# KiCad board sl_v4.kicad_pcb (continued)
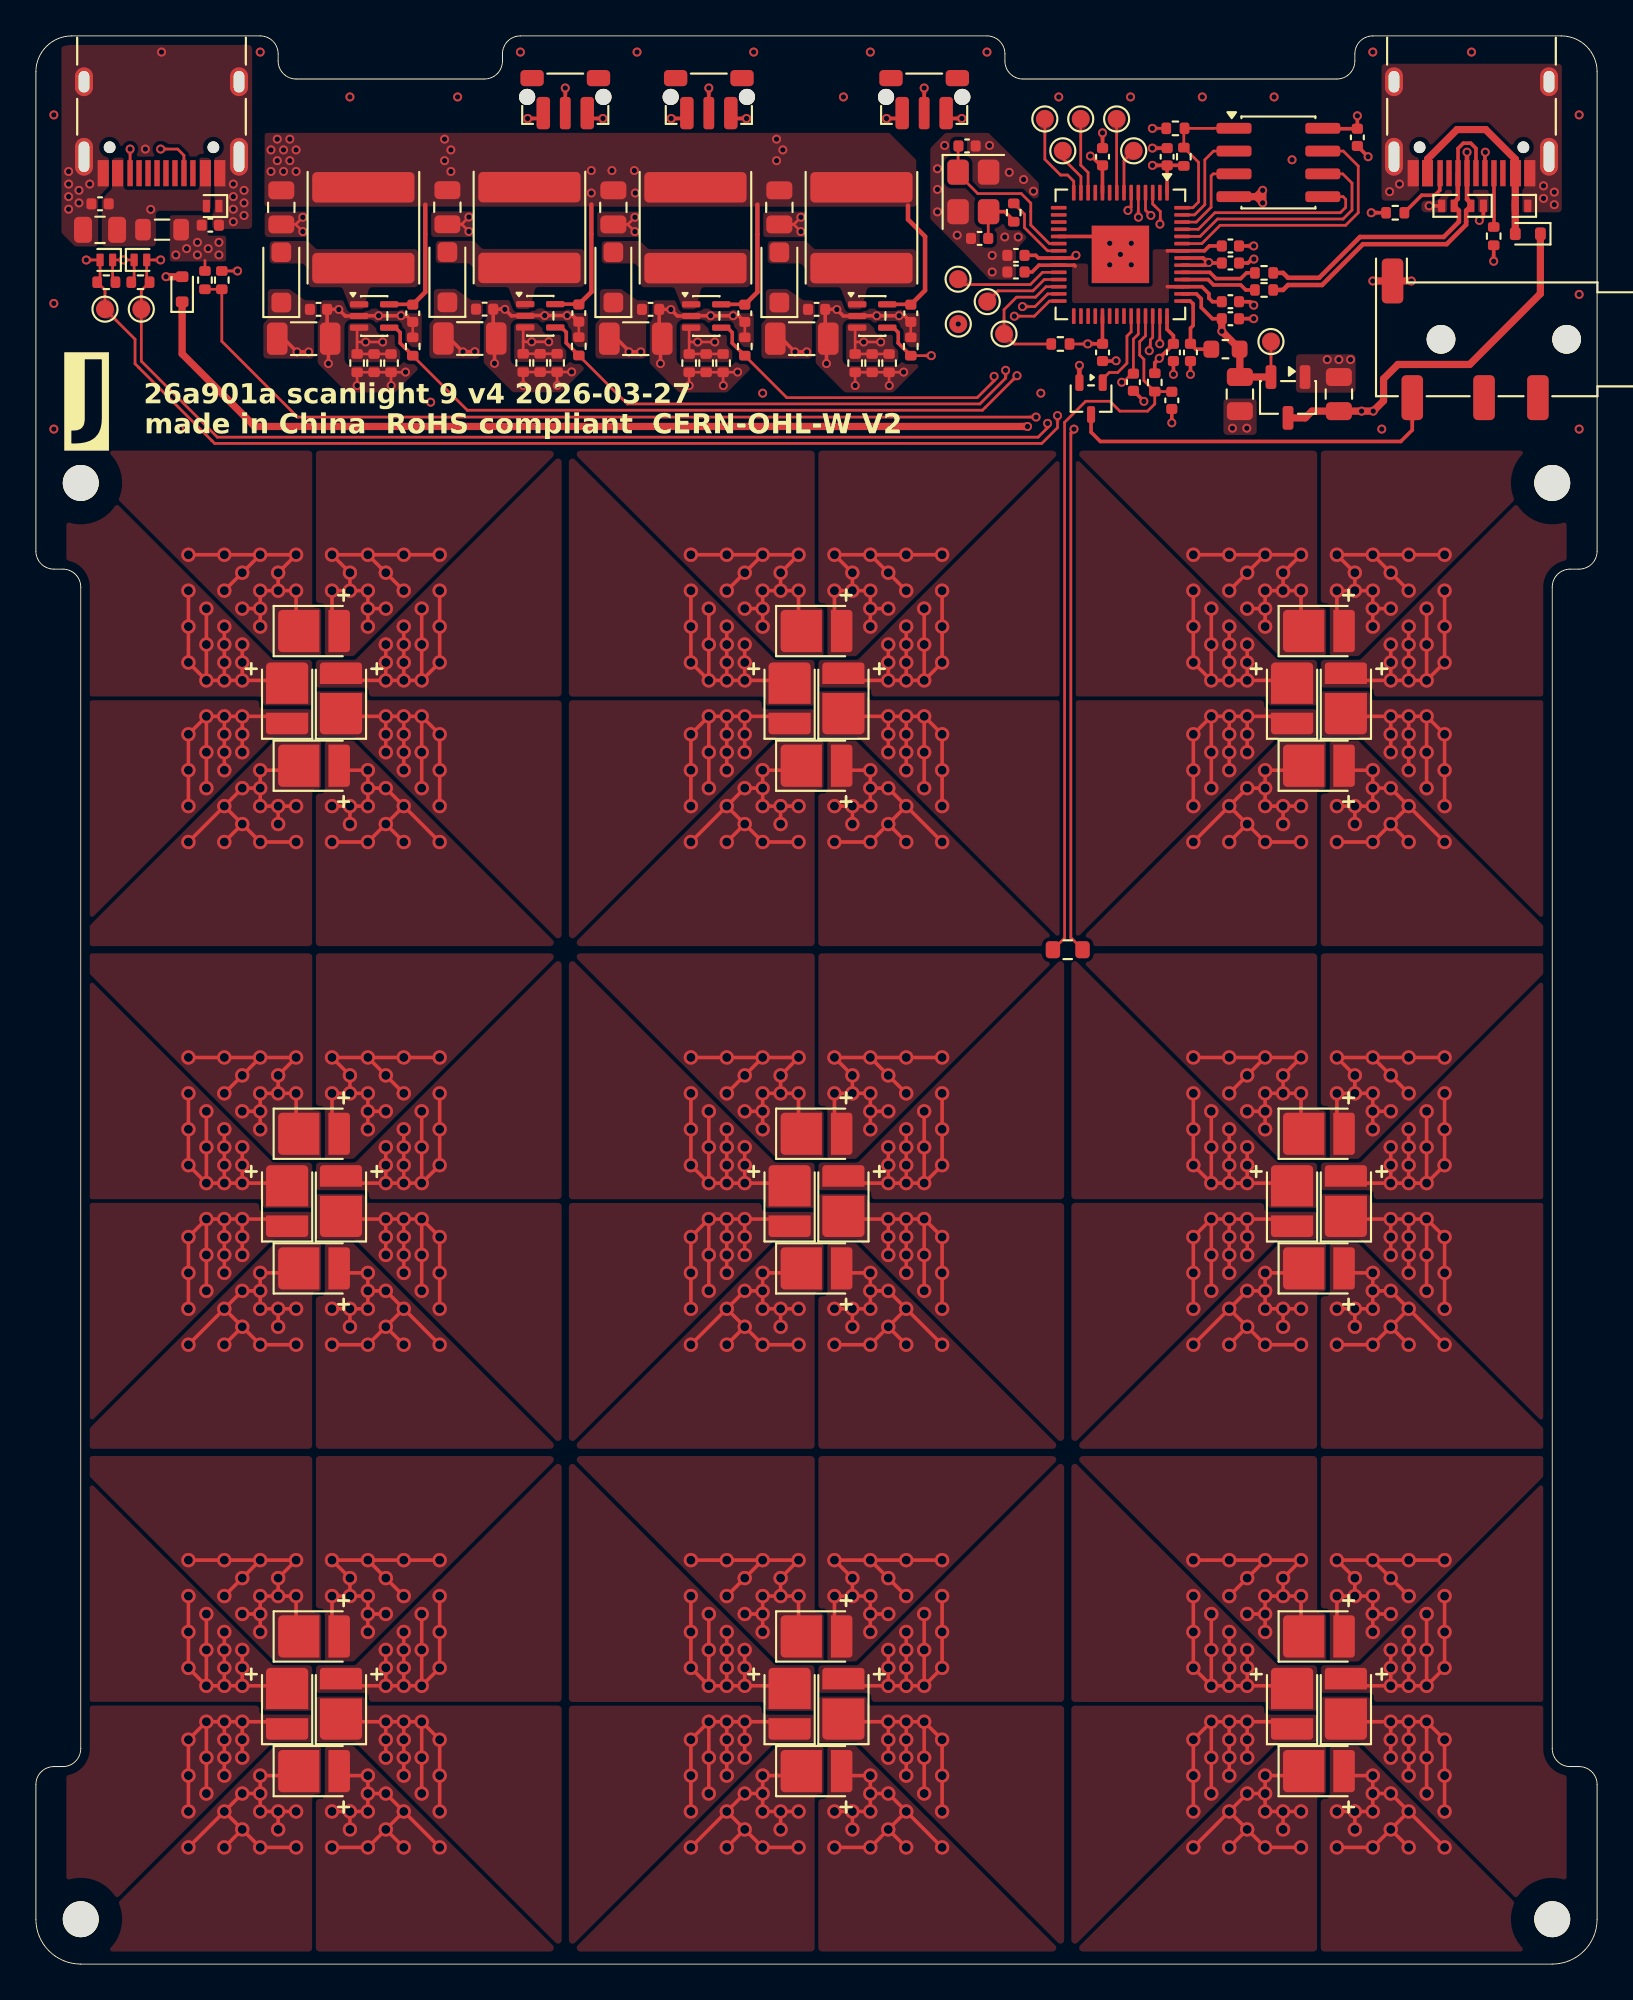
[diagram p0: board, top side]
## Routing (per net, layer and track width the routed paths; a pad name or vN(x,y) marks a point on that pad's centre or on a via; arc(x,y) is an arc through that point) (continued)
/LED array/LED Cluster 5/R-: length 126.7
  Top w0.2: v2(8.5,76.5) v2(8.5,74.5) v2(8.5,72.5) v2(9.5,71.5) ; v2(11.5,73.5) v2(11.5,72.5) v2(11.5,71.5) ; v2(11.5,71.5) v2(10.5,71.5) ; v2(11.5,71.5) 13.85,71.5 D1401.1 ; v2(10.5,71.5) v2(10.5,72.5) v2(10.5,73.5) v2(10.5,74.5) ; v2(10.5,71.5) v2(9.5,71.5) ; v2(36.5,8.5) v2(36.5,10.5) v2(36.5,12.5) v2(37.5,13.5) ; v2(38.5,13.5) v2(37.5,13.5) ; v2(38.5,13.5) v2(38.5,12.5) v2(38.5,11.5) v2(38.5,10.5) ; v2(38.5,13.5) v2(39.5,13.5) ; v2(37.5,13.5) v2(37.5,11.5) v2(37.5,9.5) ; v2(9.5,71.5) v2(9.5,73.5) v2(9.5,75.5) ; v2(39.5,13.5) v2(39.5,12.5) v2(39.5,11.5) ; v2(39.5,13.5) 41.6,13.5 D1301.2
  In2.Cu w0.4: v2(8.5,76.5) 9.5,77.5 9.5,78.95 10.05,79.5 21.1,79.5 21.5,79.1 21.5,78 22,77.5 23,77.5 29.9,70.6 29.9,19.1 v2(36.5,12.5)
/LED array/LED Cluster 5/W-: length 99.3
  Top w0.2: v2(16.5,64.5) v2(17.5,64.5) ; v2(17.5,64.5) v2(17.5,63.5) ; v2(17.5,64.5) v2(18.5,64.5) v2(18.5,65.5) ; v2(38.5,8.5) v2(36.5,6.5) ; v2(38.5,8.5) v2(39.5,7.5) ; v2(38.5,8.5) v2(39.5,9.5) v2(40.5,9.5) ; D1304.1 42.4,10.5 v2(40.5,10.5) v2(40.5,9.5) ; v2(19.5,63.5) v2(18.5,62.5) v2(16.5,62.5) ; v2(19.5,63.5) v2(20.5,62.5) ; v2(19.5,63.5) v2(20.5,64.5) ; v2(41.5,8.5) v2(40.5,8.5) v2(40.5,9.5) ; v2(41.5,8.5) v2(42.5,8.5) ; v2(41.5,8.5) v2(41.5,7.5) ; v2(42.5,6.5) v2(40.5,6.5) v2(39.5,7.5) ; v2(39.5,7.5) v2(38.5,6.5) ; v2(18.5,65.5) v2(18.5,66.5) 17.15,66.5 D1404.2 ; v2(18.5,65.5) v2(19.5,65.5) v2(20.5,64.5) ; v2(20.5,64.5) v2(22.5,62.5)
  In2.Cu w0.4: v2(36.5,6.5) 35.5,6.5 28.3,13.7 28.3,56.7 v2(22.5,62.5)
/LED array/LED Cluster 6/B-: length 54.9
  Top w0.2: v2(19.5,67.5) v2(19.5,68.5) v2(19.5,69.5) ; v2(19.5,69.5) v2(20.5,69.5) ; v2(19.5,69.5) 17.15,69.5 D1403.1 ; v2(21.5,69.5) v2(22.5,68.5) v2(22.5,66.5) v2(22.5,64.5) ; v2(21.5,69.5) v2(20.5,69.5) ; v2(21.5,69.5) v2(21.5,67.5) v2(21.5,65.5) ; v2(21.5,47.5) v2(21.5,45.5) v2(21.5,43.5) ; v2(19.5,45.5) v2(19.5,44.5) v2(19.5,43.5) ; v2(20.5,69.5) v2(20.5,68.5) v2(20.5,67.5) v2(20.5,66.5) ; v2(20.5,46.5) v2(20.5,45.5) v2(20.5,44.5) v2(20.5,43.5) ; v2(20.5,43.5) v2(21.5,43.5) ; v2(20.5,43.5) v2(19.5,43.5) ; v2(21.5,43.5) v2(22.5,44.5) v2(22.5,46.5) v2(22.5,48.5) ; v2(19.5,43.5) 17.4,43.5 D1503.2
  In2.Cu w0.4: v2(22.5,48.5) 21.5,49.5 21.5,63.5 v2(22.5,64.5)
/LED array/LED Cluster 6/G-: length 62.9
  Top w0.2: v2(13.5,76.5) v2(13.5,77.5) v2(14.5,78.5) v2(12.5,78.5) ; v2(13.5,76.5) v2(12.5,76.5) v2(12.5,75.5) ; v2(13.5,76.5) v2(14.5,76.5) 14.5,74.4 D1402.1 ; v2(18.5,50.5) v2(16.5,50.5) v2(17.5,49.5) v2(17.5,48.5) ; v2(18.5,50.5) v2(19.5,49.5) v2(20.5,48.5) ; v2(18.5,50.5) v2(20.5,50.5) v2(22.5,50.5) ; v2(12.5,75.5) v2(11.5,75.5) ; v2(12.5,75.5) v2(12.5,74.5) ; v2(17.5,48.5) v2(16.5,48.5) 16.5,46.65 D1502.2 ; v2(17.5,48.5) v2(18.5,48.5) v2(18.5,47.5) ; v2(12.5,78.5) v2(11.5,77.5) v2(10.5,76.5) ; v2(12.5,78.5) v2(10.5,78.5) v2(8.5,78.5) ; v2(18.5,47.5) v2(19.5,47.5) ; v2(18.5,47.5) v2(18.5,46.5)
  In2.Cu w0.4: v2(12.5,74.5) 15.5,71.5 15.5,61.1 16.5,60.1 v2(16.5,50.5)
/LED array/LED Cluster 6/R-: length 54.9
  Top w0.2: v2(11.5,43.5) v2(11.5,44.5) v2(11.5,45.5) ; v2(11.5,43.5) v2(10.5,43.5) ; v2(11.5,43.5) 13.85,43.5 D1501.1 ; v2(8.5,64.5) v2(8.5,66.5) v2(8.5,68.5) v2(9.5,69.5) ; v2(10.5,46.5) v2(10.5,45.5) v2(10.5,44.5) v2(10.5,43.5) ; v2(9.5,47.5) v2(9.5,45.5) v2(9.5,43.5) ; v2(9.5,69.5) v2(9.5,67.5) v2(9.5,65.5) ; v2(9.5,69.5) v2(10.5,69.5) ; v2(8.5,48.5) v2(8.5,46.5) v2(8.5,44.5) v2(9.5,43.5) ; v2(10.5,43.5) v2(9.5,43.5) ; v2(11.5,69.5) v2(11.5,68.5) v2(11.5,67.5) ; v2(11.5,69.5) v2(10.5,69.5) ; v2(11.5,69.5) 13.6,69.5 D1401.2 ; v2(10.5,66.5) v2(10.5,67.5) v2(10.5,68.5) v2(10.5,69.5)
  In2.Cu w0.4: v2(8.5,48.5) 9.5,49.5 9.5,63.5 v2(8.5,64.5)
/LED array/LED Cluster 6/W-: length 62.6
  Top w0.2: v2(20.5,34.5) v2(19.5,35.5) ; v2(19.5,35.5) v2(20.5,36.5) ; v2(19.5,35.5) v2(18.5,34.5) v2(16.5,34.5) ; v2(20.5,36.5) v2(22.5,34.5) ; v2(20.5,36.5) v2(19.5,37.5) v2(18.5,37.5) ; v2(13.5,64.5) v2(13.5,63.5) ; v2(13.5,64.5) v2(12.5,64.5) v2(12.5,65.5) ; v2(13.5,64.5) v2(14.5,64.5) ; v2(11.5,63.5) v2(10.5,62.5) ; v2(11.5,63.5) v2(10.5,64.5) ; v2(11.5,63.5) v2(12.5,62.5) v2(14.5,62.5) ; v2(10.5,64.5) v2(11.5,65.5) v2(12.5,65.5) ; v2(10.5,64.5) v2(8.5,62.5) ; D1504.2 17.15,38.5 v2(18.5,38.5) v2(18.5,37.5) ; v2(18.5,37.5) v2(18.5,36.5) v2(17.5,36.5) ; v2(12.5,65.5) v2(12.5,66.5) 14.4,66.5 D1404.1 ; v2(16.5,36.5) v2(17.5,36.5) ; v2(17.5,36.5) v2(17.5,35.5)
  In2.Cu w0.4: v2(14.5,62.5) 14.5,60.65 15.5,59.65 15.5,48 18.5,45 v2(18.5,38.5)
/LED array/LED Cluster 7/B-: length 54.9
  Top w0.2: v2(19.5,41.5) v2(19.5,40.5) v2(19.5,39.5) ; v2(19.5,41.5) 17.15,41.5 D1503.1 ; v2(19.5,41.5) v2(20.5,41.5) ; v2(22.5,36.5) v2(22.5,38.5) v2(22.5,40.5) v2(21.5,41.5) ; v2(19.5,15.5) v2(20.5,15.5) ; v2(19.5,15.5) 17.4,15.5 D1603.2 ; v2(19.5,15.5) v2(19.5,16.5) v2(19.5,17.5) ; v2(20.5,15.5) v2(20.5,16.5) v2(20.5,17.5) v2(20.5,18.5) ; v2(20.5,15.5) v2(21.5,15.5) ; v2(20.5,38.5) v2(20.5,39.5) v2(20.5,40.5) v2(20.5,41.5) ; v2(21.5,41.5) v2(21.5,39.5) v2(21.5,37.5) ; v2(21.5,41.5) v2(20.5,41.5) ; v2(22.5,20.5) v2(22.5,18.5) v2(22.5,16.5) v2(21.5,15.5) ; v2(21.5,15.5) v2(21.5,17.5) v2(21.5,19.5)
  In2.Cu w0.4: v2(22.5,20.5) 21.5,21.5 21.5,35.5 v2(22.5,36.5)
/LED array/LED Cluster 7/G-: length 62.9
  Top w0.2: v2(17.5,20.5) v2(18.5,20.5) v2(18.5,19.5) ; v2(17.5,20.5) v2(17.5,21.5) v2(16.5,22.5) v2(18.5,22.5) ; v2(17.5,20.5) v2(16.5,20.5) 16.5,18.65 D1602.2 ; v2(12.5,50.5) v2(14.5,50.5) v2(13.5,49.5) v2(13.5,48.5) ; v2(12.5,50.5) v2(10.5,50.5) v2(8.5,50.5) ; v2(12.5,50.5) v2(11.5,49.5) v2(10.5,48.5) ; v2(13.5,48.5) v2(12.5,48.5) v2(12.5,47.5) ; v2(13.5,48.5) v2(14.5,48.5) 14.5,46.4 D1502.1 ; v2(18.5,22.5) v2(19.5,21.5) v2(20.5,20.5) ; v2(18.5,22.5) v2(20.5,22.5) v2(22.5,22.5) ; v2(11.5,47.5) v2(12.5,47.5) ; v2(12.5,47.5) v2(12.5,46.5) ; v2(18.5,19.5) v2(18.5,18.5) ; v2(18.5,19.5) v2(19.5,19.5)
  In2.Cu w0.4: v2(16.5,22.5) 16.5,24.35 15.5,25.35 15.5,37 12.5,40 v2(12.5,46.5)
/LED array/LED Cluster 7/R-: length 54.9
  Top w0.2: v2(10.5,18.5) v2(10.5,17.5) v2(10.5,16.5) v2(10.5,15.5) ; v2(11.5,41.5) v2(10.5,41.5) ; v2(11.5,41.5) v2(11.5,40.5) v2(11.5,39.5) ; v2(11.5,41.5) 13.6,41.5 D1501.2 ; v2(10.5,41.5) v2(10.5,40.5) v2(10.5,39.5) v2(10.5,38.5) ; v2(10.5,41.5) v2(9.5,41.5) ; v2(9.5,15.5) v2(9.5,17.5) v2(9.5,19.5) ; v2(9.5,15.5) v2(10.5,15.5) ; v2(9.5,15.5) v2(8.5,16.5) v2(8.5,18.5) v2(8.5,20.5) ; v2(11.5,17.5) v2(11.5,16.5) v2(11.5,15.5) ; v2(10.5,15.5) v2(11.5,15.5) ; v2(9.5,41.5) v2(9.5,39.5) v2(9.5,37.5) ; v2(9.5,41.5) v2(8.5,40.5) v2(8.5,38.5) v2(8.5,36.5) ; D1601.1 13.85,15.5 v2(11.5,15.5)
  In2.Cu w0.4: v2(8.5,20.5) 9.5,21.5 9.5,35.5 v2(8.5,36.5)
/LED array/LED Cluster 7/W-: length 62.6
  Top w0.2: v2(12.5,37.5) v2(12.5,38.5) 14.4,38.5 D1504.1 ; v2(12.5,37.5) v2(12.5,36.5) v2(13.5,36.5) ; v2(12.5,37.5) v2(11.5,37.5) v2(10.5,36.5) ; v2(13.5,36.5) v2(14.5,36.5) ; v2(13.5,36.5) v2(13.5,35.5) ; v2(14.5,34.5) v2(12.5,34.5) v2(11.5,35.5) ; v2(16.5,8.5) v2(17.5,8.5) ; v2(17.5,8.5) v2(17.5,7.5) ; v2(17.5,8.5) v2(18.5,8.5) v2(18.5,9.5) ; v2(20.5,8.5) v2(19.5,9.5) v2(18.5,9.5) ; v2(20.5,8.5) v2(19.5,7.5) ; v2(20.5,8.5) v2(22.5,6.5) ; v2(19.5,7.5) v2(18.5,6.5) v2(16.5,6.5) ; v2(19.5,7.5) v2(20.5,6.5) ; v2(10.5,36.5) v2(11.5,35.5) ; v2(10.5,36.5) v2(8.5,34.5) ; v2(11.5,35.5) v2(10.5,34.5) ; v2(18.5,9.5) v2(18.5,10.5) 17.15,10.5 D1604.2
  In2.Cu w0.4: v2(18.5,10.5) 15.5,13.5 15.5,23.9 14.5,24.9 v2(14.5,34.5)
/QSPI_SS: length 8.3
  Top w0.15: U101.1 65.6,102.25 65.59,102.25 R103.2 63.97,102.21 R105.2 64.79,100.36 64.79,98.15 64.47,97.83 U102.56
/R1: length 53.6
  Top w0.15: v1(54.67,88.47) 52.9,86.7 52.9,86.7 52.75,86.55 24.04,86.55 R301.1 ; U102.4 61.84,97.7 v1(62.13,97.4)
  Top w0.2: 19.8,91.15 20.03,91.15 20.3,90.88 20.3,90.29 R301.1 21,89.57
  In2.Cu w0.15: v1(54.67,88.47) 54.67,88.88 56.8,91 56.8,95.6 57.98,96.77 61.77,96.77 62.13,97.13 v1(62.13,97.4)
/R1+: length 79.7
  Top w0.2: D801.1 69.85,71.5 v2(67.5,71.5) ; v2(67.5,73.5) v2(67.5,72.5) v2(67.5,71.5) ; C304.1 13.51,90.6 13.75,90.6 v1(14.55,89.8) v1(15.2,89.8) ; v2(66.5,71.5) v2(65.5,71.5) ; v2(66.5,71.5) v2(67.5,71.5) ; v2(66.5,71.5) v2(66.5,72.5) v2(66.5,73.5) v2(66.5,74.5) ; v2(65.5,71.5) v2(65.5,73.5) v2(65.5,75.5) ; v2(65.5,71.5) v2(64.5,72.5) v2(64.5,74.5) v2(64.5,76.5)
  In2.Cu w0.4: v2(64.5,76.5) 59.7,81.3 18.3,81.3 15.6,84 15.6,89.4 v1(15.2,89.8) v1(14.55,89.8)
/R1-: length 112.1
  Top w0.15: 17.9,91.15 17.9,90.35 ; 17.9,90.35 v1(18.38,90.35) v1(19.33,90.35) ; 17.9,90.35 R303.1 R302.1 R304.1
  Top w0.2: v2(8.5,8.5) v2(8.5,10.5) v2(8.5,12.5) v2(9.5,13.5) ; v2(11.5,13.5) v2(11.5,12.5) v2(11.5,11.5) ; v2(11.5,13.5) v2(10.5,13.5) ; v2(11.5,13.5) 13.6,13.5 D1601.2 ; v2(9.5,9.5) v2(9.5,11.5) v2(9.5,13.5) ; v2(9.5,13.5) v2(10.5,13.5) ; v2(10.5,13.5) v2(10.5,12.5) v2(10.5,11.5) v2(10.5,10.5)
  In2.Cu w0.4: v2(9.5,13.5) 5.85,17.15 5.85,79.58 13.1,86.83 13.1,90.25 14.02,91.17 17.55,91.17 v1(18.38,90.35) v1(19.33,90.35)
/SHUTTER: length 4.7
  Top w0.15: U102.37 61.04,90.92 60.8,90.68 60.8,89.17 60.28,88.65 59.81,88.65 59.4,88.24 59.4,88.14 Q101.1
/TH: length 41.9
  Top w0.15: C116.1 63.29,87.59 R109.2 ; U102.39 61.84,90.7 61.51,90.37 61.51,89.62 61.75,89.39 61.75,88.19 R109.2 ; R109.2 62.35,86.9 61.95,86.5 60.4,86.5 59.85,87.05 58.5,87.05 57.32,85.87 57.32,57.15 TH101.1
/usb ports/USB_N: length 18.7
  Top w0.2: v1(80.77,100.92) 80.75,100.9 J202.B7
  Top w0.25: v1(79.75,100.92) 79.75,98.3 79.96,98.08 D207.2 79.7,97.67 79.7,97.05 79.7,97.05 79.7,96.88 78.62,95.8 73.95,95.8 71.67,93.53 69.78,93.53 69.5,93.25 R101.2
  In2.Cu w0.2: v1(80.77,100.92) v1(79.75,100.92)
/usb ports/USB_P: length 18.7
  Top w0.2: J202.A6 80.25,101.13 79.96,101.42 79.54,101.42 79.25,101.13 J202.B6
  Top w0.25: R102.1 69.5,94.2 69.77,93.93 71.51,93.93 73.78,96.2 78.45,96.2 79.3,97.05 79.3,97.67 D206.2 79.04,98.12 79.24,98.32 79.24,99.74 J202.B6
/USB_X_N: length 4.3
  Top w0.2: 63.87,93.83 65.32,93.83 65.62,93.53 67.14,93.53 67.42,93.25 R101.1
/USB_X_P: length 4.3
  Top w0.2: R102.2 67.46,94.2 67.14,93.88 65.77,93.88 65.42,94.23 U102.47
/W1: length 25.5
  Top w0.15: U102.3 62.24,98.04 62.35,97.93 62.66,97.62 62.66,96.94 v1(62.64,96.91) ; v1(49.9,89.59) R601.1
  Top w0.2: 47.55,91.15 47.79,91.15 48.06,90.89 48.06,90.29 R601.1 48.75,89.57
  In2.Cu w0.15: v1(62.64,96.91) 62.41,96.91 61.92,96.42 58.12,96.42 57.15,95.45 57.15,90.85 55.2,88.9 55.2,88.26 54.84,87.9 51.59,87.9 v1(49.9,89.59)
/W1+: length 82
  Top w0.2: v2(73.5,64.5) v2(74.5,64.5) v2(74.5,65.5) ; v2(73.5,64.5) v2(73.5,63.5) ; v2(73.5,64.5) v2(72.5,64.5) ; v2(74.5,65.5) v2(74.5,66.5) 73.15,66.5 D804.2 ; v2(74.5,65.5) v2(75.5,65.5) v2(76.5,64.5) ; v2(76.5,62.5) v2(75.5,63.5) ; v2(75.5,63.5) v2(76.5,64.5) ; v2(75.5,63.5) v2(74.5,62.5) v2(72.5,62.5) ; v2(76.5,64.5) v2(78.5,62.5) ; C604.1 41.27,90.6 41.5,90.6 v1(42.3,89.8) v1(42.95,89.8)
  In2.Cu w0.4: v2(78.5,62.5) 79.5,63.5 79.5,78.97 74.77,83.7 43.7,83.7 43.35,84.05 43.35,89.4 v1(42.95,89.8) v1(42.3,89.8)
/W1-: length 149.6
  Top w0.15: 45.65,91.15 45.65,90.35 ; 45.65,90.35 v1(46.13,90.35) v1(47.08,90.35) ; 45.65,90.35 R602.1 R603.1 R604.1
  Top w0.2: v2(13.5,8.5) v2(13.5,7.5) ; v2(13.5,8.5) v2(14.5,8.5) ; v2(13.5,8.5) v2(12.5,8.5) v2(12.5,9.5) ; v2(12.5,9.5) v2(11.5,9.5) v2(10.5,8.5) ; v2(12.5,9.5) v2(12.5,10.5) 14.4,10.5 D1604.1 ; v2(14.5,6.5) v2(12.5,6.5) v2(11.5,7.5) ; v2(11.5,7.5) v2(10.5,6.5) ; v2(11.5,7.5) v2(10.5,8.5) ; v2(10.5,8.5) v2(8.5,6.5)
  In2.Cu w0.4: v1(47.08,90.35) v1(46.13,90.35) 45.78,90.7 39.2,90.7 38.17,89.67 35.73,89.67 32.5,92.9 14.75,92.9 12.3,90.45 12.3,87.1 5.05,79.85 5.05,9.95 v2(8.5,6.5)
Net-(C114-Pad2): length 3.2
  Top w0.15: Y101.3 53.07,97.59 C114.2
  Top w0.2: R106.1 54.49,97.11 53.99,97.61 Y101.3
Net-(D201-A2): length 7.5
  Top w0.15: J201.A4 9.45,100.37 ; J201.A4 9.45,100.36 ; J201.A4 9.45,100.4
  Top w0.4: 5.95,96.59 FB201.1 ; D204.2 v1(7.25,93.99)
  In2.Cu w0.4: v1(7.25,93.99) 6.68,93.99 6.06,94.61 6.06,97.4 v1(6.4,97.74)
Net-(D204-K): length 93
  Top w0.4: D204.1 8.15,89.69 12.2,85.64 v1(55.26,85.64) ; U201.3 70.73,86.12 71.11,86.5 C203.1 v1(74.52,86.5) 75.1,87.08 75.1,88.3 75.9,89.1 79.9,89.1 83.84,93.04 D205.1
  In2.Cu w0.4: v1(55.26,85.64) 56.08,84.83 72.2,84.83 v1(73.88,86.5) v1(74.52,86.5)
Net-(D205-A): length 11.2
  Top w0.4: J202.A9 77.55,100.54 79.19,102.18 80.79,102.18 82.45,100.52 J202.A4 82.44,99.74 D208.2 82.44,96.38 D205.2
Net-(J202-CC1): length 3
  Top w0.2: J202.A5 81.25,96.92 81.24,96.91 81.24,96.71
Net-(J202-CC2): length 3.4
  Top w0.2: R205.2 76.26,97.56 77.22,98.52 77.95,98.52 78.23,98.8 78.23,99.73
Net-(Q101-D): length 21.2
  Top w0.2: Q101.3 58.8,85.33 59.32,84.81 76.06,84.81 76.7,85.45 J101.T
Net-(R103-Pad1): length 36.6
  Top w0.15: R103.1 v1(62.22,102.25)
  Top w0.2: SW101.2 v1(29.5,104.5)
  In2.Cu w0.15: v1(29.5,104.5) 30.45,105.45 52.05,105.45 54.7,102.8 61.67,102.8 v1(62.22,102.25)
Net-(U101-CLK): length 13.4
  Top w0.15: U102.52 64.87,96.23 65.84,97.2 72.84,97.2 73.34,97.7 73.34,99.2 72.83,99.72 U101.6
Net-(U101-DI/IO_{0}): length 11.4
  Top w0.15: U102.53 64.78,96.63 65.7,97.55 72.69,97.55 72.99,97.85 72.99,98.3 72.85,98.45 U101.5
Net-(U101-DO/IO_{1}): length 5.8
  Top w0.15: U101.2 65.63,100.98 65.14,100.5 65.14,98 64.57,97.43 U102.55
Net-(U101-~{HOLD}/~{RESET}/IO_{3}): length 15.4
  Top w0.15: U101.7 72.86,100.98 73.69,100.15 73.69,97.55 72.99,96.85 65.99,96.85 64.97,95.83 U102.51
Net-(U101-~{WP}/IO_{2}): length 5
  Top w0.15: U102.54 64.66,97.03 65.49,97.86 65.49,99.6 65.61,99.72 U101.3
Net-(U102-GPIO5): length 2.6
  Top w0.15: TP106.1 60.64,100.46 U102.7
Net-(U102-GPIO6): length 4.1
  Top w0.15: TP107.1 60.22,98.68 U102.8
Net-(U102-GPIO9): length 4.3
  Top w0.15: U102.12 58.64,99.79 58.22,100.2 TP108.1
Net-(U102-GPIO10): length 2.8
  Top w0.15: U102.13 58.24,99.56 57.25,100.55 57.25,100.97 TP109.1
Net-(U102-GPIO11): length 5
  Top w0.15: TP110.1 56.22,100.53 57.1,99.65 57.49,99.65 57.84,99.31 U102.14
Net-(U102-RUN): length 7.8
  Top w0.15: R104.1 54.51,90.24 TP102.1 53.95,92.15 54.65,92.85 55.71,92.85 56.29,93.43 U102.26
  Top w0.2: 56.59,90.23 R104.1
Net-(U102-SWCLK): length 6
  Top w0.15: U102.24 56.1,94.23 55.42,93.55 51.69,93.55 TP104.1
Net-(U102-SWD): length 4.5
  Top w0.15: TP105.1 53.61,93.2 55.56,93.2 56.19,93.83 U102.25
Net-(U102-XIN): length 9.5
  Top w0.15: C113.2 51.39,101.25 Y101.1 51.39,99.71 52.49,98.62 54.91,98.62 55.44,98.09 55.44,97.62 55.44,97.62 55.44,96.87 56.48,95.83 U102.20
Net-(U102-XOUT): length 4
  Top w0.15: R106.2 55.09,97.47 55.09,96.72 56.38,95.43 U102.21

## Copper pours and planes (outline as drawn; the poured copper is in the pictures)
+1V1 on Top: 63.14,95.52 59.02,95.52 59.02,94.72 57.74,94.72 57.74,92.52 63.14,92.52
+5V on Top: 40.5,97.9 49.05,97.9 49.05,100.03 40.5,100.03
+5V on Top: 7.46,94.84 10.6,94.84 10.6,96.27 9.58,96.27 9.58,97.41 7.46,97.41
+5V on Top: 12.75,97.9 21.3,97.9 21.3,100.03 12.75,100.03
+5V on Top: 31.25,97.9 39.8,97.9 39.8,100.03 31.25,100.03
+5V on Top: 12.75,97.9 49.06,97.9 49.06,100.5 49.05,100.5 47.55,102 37.37,102 12.75,102
+5V on Top: 22,97.91 30.55,97.91 30.55,100.03 22,100.03
+5V on In2.Cu: 7.45,94.85 13.35,94.85 14.34,95.84 14.32,97.95 39.4,97.95 42,100.55 42,101.5 41.48,102.02 27.07,102.02 25.8,103.3 9.4,103.3 7.45,101.35
GND on Top: 12.05,106.9 1.42,106.9 1.42,96.42 2.17,95.67 3.48,95.67 3.48,97.6 9.83,97.6 9.83,96.65 12.05,96.65
GND on Top: 77.21,97.57 77.21,98.22 74.99,98.22 74.99,105.85 85.04,105.85 85.04,97.57
GND on Top: 73.54,87.53 73.54,89.67 70.22,89.67 70.22,87.53
GND on Top: 12.75,96.19 15.18,96.19 15.18,97.62 12.75,97.62
GND on Top: 24.95,91.46 24.96,89.17 26.58,87.55 29.27,87.55 30.76,89.04 30.76,92.22 26.75,92.23 26.75,92.69 25.1,92.69 25.1,91.61
GND on Top: 40.5,96.19 42.93,96.19 42.93,97.62 40.5,97.62
GND on Top: 34.2,91.45 34.21,89.16 35.83,87.54 38.52,87.54 40.01,89.03 40.01,92.22 36,92.22 36,92.67 34.35,92.67 34.35,91.6
GND on Top: 15.7,91.45 15.7,89.16 17.33,87.54 20.01,87.54 21.5,89.03 21.5,92.22 17.5,92.22 17.5,92.67 15.85,92.67 15.85,91.6
GND on Top: 43.45,91.45 43.46,89.16 45.08,87.54 47.77,87.54 49.26,89.03 49.26,92.22 45.25,92.22 45.25,92.67 43.6,92.67 43.6,91.6
GND on Top: 31.25,96.19 33.68,96.19 33.68,97.62 31.25,97.62
GND on Top: 22.01,96.2 24.43,96.2 24.43,97.62 22.01,97.62
GND on Top: 66.18,85.18 68.03,85.18 68.03,87.2 66.18,87.2
GND on Top: 50.69,102 49.84,101.15 49.84,97.2 51.52,95.53 53.17,93.8 54.62,93.8 54.62,95.47 55.21,96.13 55.19,98.35 55.89,98.35 55.89,99.21 53.1,102
GND on Bottom, In1.Cu, In2.Cu: 86.5,107.5 86.5,85 0.5,85 0.5,107.5
/B1+ on Top: 31.18,89.42 34,89.42 34,91.53 34.15,91.67 34.15,92.67 33.5,92.67 32.63,93.3 31.43,93.3 31.43,91.62 31.18,91.38
/B1+ on Top, Bottom, In1.Cu: 74.55,70.6 74.55,71.1 71.6,71.1 71.6,72.65 73.8,72.65 85.3,84.15 85.3,70.6
/B1- on Top: 35.9,89.22 35.9,91.4 37.18,91.4 37.83,90.75 38.8,90.75 38.8,89.22
/B1- on Top, Bottom, In1.Cu: 18.35,14.4 18.35,14.9 15.6,14.9 15.6,12.35 17.8,12.35 29.3,0.85 29.3,14.4
/G1+ on Top: 21.93,89.43 24.75,89.43 24.75,91.53 24.9,91.69 24.9,92.69 24.25,92.69 23.38,93.31 22.18,93.31 22.18,91.64 21.93,91.39
/G1+ on Top, Bottom, In1.Cu: 71.6,75.8 72.1,75.8 72.1,72.85 73.7,72.85 85.15,84.3 71.6,84.3
/G1- on Top: 26.65,89.23 26.65,91.41 27.93,91.41 28.58,90.76 29.55,90.76 29.55,89.23
/G1- on Top, Bottom, In1.Cu: 15.9,16.85 15.9,19.55 15.4,19.55 15.4,28.3 1.85,28.3 13.3,16.85
/LED array/LED Cluster 0/B- on Top, Bottom, In1.Cu: 74.55,42.6 74.55,43.1 71.6,43.1 71.6,44.65 73.8,44.65 85.3,56.15 85.3,42.6
/LED array/LED Cluster 0/B- on Top, Bottom, In1.Cu: 74.35,70.4 74.35,70.9 71.6,70.9 71.6,68.35 73.8,68.35 85.3,56.85 85.3,70.4
/LED array/LED Cluster 0/G- on Top, Bottom, In1.Cu: 71.9,72.85 71.9,75.55 71.4,75.55 71.4,84.3 57.85,84.3 69.3,72.85
/LED array/LED Cluster 0/G- on Top, Bottom, In1.Cu: 71.6,47.8 72.1,47.8 72.1,44.85 73.7,44.85 85.15,56.3 71.6,56.3
/LED array/LED Cluster 0/R- on Top, Bottom, In1.Cu: 68.65,42.6 68.65,42.1 71.4,42.1 71.4,44.65 69.2,44.65 57.7,56.15 57.7,42.6
/LED array/LED Cluster 0/R- on Top, Bottom, In1.Cu: 68.45,70.4 68.45,69.9 71.4,69.9 71.4,68.35 69.2,68.35 57.7,56.85 57.7,70.4
/LED array/LED Cluster 0/W- on Top, Bottom, In1.Cu: 71.4,65.45 71.9,65.45 71.9,68.15 69.3,68.15 57.85,56.7 71.4,56.7
/LED array/LED Cluster 0/W- on Top, Bottom, In1.Cu: 72.1,40.15 72.1,37.2 71.6,37.2 71.6,28.7 85.15,28.7 73.7,40.15
/LED array/LED Cluster 1/B- on Top, Bottom, In1.Cu: 74.55,14.6 74.55,15.1 71.6,15.1 71.6,16.65 73.8,16.65 85.3,28.15 85.3,14.6
/LED array/LED Cluster 1/B- on Top, Bottom, In1.Cu: 74.35,42.4 74.35,42.9 71.6,42.9 71.6,40.35 73.8,40.35 85.3,28.85 85.3,42.4
/LED array/LED Cluster 1/G- on Top, Bottom, In1.Cu: 71.9,44.85 71.9,47.55 71.4,47.55 71.4,56.3 57.85,56.3 69.3,44.85
/LED array/LED Cluster 1/G- on Top, Bottom, In1.Cu: 71.6,19.8 72.1,19.8 72.1,16.85 73.7,16.85 85.15,28.3 71.6,28.3
/LED array/LED Cluster 1/R- on Top, Bottom, In1.Cu: 68.65,14.6 68.65,14.1 71.4,14.1 71.4,16.65 69.2,16.65 57.7,28.15 57.7,14.6
/LED array/LED Cluster 1/R- on Top, Bottom, In1.Cu: 68.45,42.4 68.45,41.9 71.4,41.9 71.4,40.35 69.2,40.35 57.7,28.85 57.7,42.4
/LED array/LED Cluster 1/W- on Top, Bottom, In1.Cu: 71.4,37.45 71.9,37.45 71.9,40.15 69.3,40.15 57.85,28.7 71.4,28.7
/LED array/LED Cluster 1/W- on Top, Bottom, In1.Cu: 72.1,12.15 72.1,9.2 71.6,9.2 71.6,0.7 85.15,0.7 73.7,12.15
/LED array/LED Cluster 2/B- on Top, Bottom, In1.Cu: 46.55,70.6 46.55,71.1 43.6,71.1 43.6,72.65 45.8,72.65 57.3,84.15 57.3,70.6
/LED array/LED Cluster 2/B- on Top, Bottom, In1.Cu: 74.35,14.4 74.35,14.9 71.6,14.9 71.6,12.35 73.8,12.35 85.3,0.85 85.3,14.4
/LED array/LED Cluster 2/G- on Top, Bottom, In1.Cu: 43.6,75.8 44.1,75.8 44.1,72.85 45.7,72.85 57.15,84.3 43.6,84.3
/LED array/LED Cluster 2/G- on Top, Bottom, In1.Cu: 71.9,16.85 71.9,19.55 71.4,19.55 71.4,28.3 57.85,28.3 69.3,16.85
/LED array/LED Cluster 2/R- on Top, Bottom, In1.Cu: 68.45,14.4 68.45,13.9 71.4,13.9 71.4,12.35 69.2,12.35 57.7,0.85 57.7,14.4
/LED array/LED Cluster 2/R- on Top, Bottom, In1.Cu: 40.65,70.6 40.65,70.1 43.4,70.1 43.4,72.65 41.2,72.65 29.7,84.15 29.7,70.6
/LED array/LED Cluster 2/W- on Top, Bottom, In1.Cu: 71.4,9.45 71.9,9.45 71.9,12.15 69.3,12.15 57.85,0.7 71.4,0.7
/LED array/LED Cluster 2/W- on Top, Bottom, In1.Cu: 44.1,68.15 44.1,65.2 43.6,65.2 43.6,56.7 57.15,56.7 45.7,68.15
/LED array/LED Cluster 3/B- on Top, Bottom, In1.Cu: 46.55,42.6 46.55,43.1 43.6,43.1 43.6,44.65 45.8,44.65 57.3,56.15 57.3,42.6
/LED array/LED Cluster 3/B- on Top, Bottom, In1.Cu: 46.35,70.4 46.35,70.9 43.6,70.9 43.6,68.35 45.8,68.35 57.3,56.85 57.3,70.4
/LED array/LED Cluster 3/G- on Top, Bottom, In1.Cu: 43.9,72.85 43.9,75.55 43.4,75.55 43.4,84.3 29.85,84.3 41.3,72.85
/LED array/LED Cluster 3/G- on Top, Bottom, In1.Cu: 43.6,47.8 44.1,47.8 44.1,44.85 45.7,44.85 57.15,56.3 43.6,56.3
/LED array/LED Cluster 3/R- on Top, Bottom, In1.Cu: 40.45,70.4 40.45,69.9 43.4,69.9 43.4,68.35 41.2,68.35 29.7,56.85 29.7,70.4
/LED array/LED Cluster 3/R- on Top, Bottom, In1.Cu: 40.65,42.6 40.65,42.1 43.4,42.1 43.4,44.65 41.2,44.65 29.7,56.15 29.7,42.6
/LED array/LED Cluster 3/W- on Top, Bottom, In1.Cu: 44.1,40.15 44.1,37.2 43.6,37.2 43.6,28.7 57.15,28.7 45.7,40.15
/LED array/LED Cluster 3/W- on Top, Bottom, In1.Cu: 43.4,65.45 43.9,65.45 43.9,68.15 41.3,68.15 29.85,56.7 43.4,56.7
/LED array/LED Cluster 4/B- on Top, Bottom, In1.Cu: 46.35,42.4 46.35,42.9 43.6,42.9 43.6,40.35 45.8,40.35 57.3,28.85 57.3,42.4
/LED array/LED Cluster 4/B- on Top, Bottom, In1.Cu: 46.55,14.6 46.55,15.1 43.6,15.1 43.6,16.65 45.8,16.65 57.3,28.15 57.3,14.6
/LED array/LED Cluster 4/G- on Top, Bottom, In1.Cu: 43.9,44.85 43.9,47.55 43.4,47.55 43.4,56.3 29.85,56.3 41.3,44.85
/LED array/LED Cluster 4/G- on Top, Bottom, In1.Cu: 43.6,19.8 44.1,19.8 44.1,16.85 45.7,16.85 57.15,28.3 43.6,28.3
/LED array/LED Cluster 4/R- on Top, Bottom, In1.Cu: 40.65,14.6 40.65,14.1 43.4,14.1 43.4,16.65 41.2,16.65 29.7,28.15 29.7,14.6
/LED array/LED Cluster 4/R- on Top, Bottom, In1.Cu: 40.45,42.4 40.45,41.9 43.4,41.9 43.4,40.35 41.2,40.35 29.7,28.85 29.7,42.4
/LED array/LED Cluster 4/W- on Top, Bottom, In1.Cu: 44.1,12.15 44.1,9.2 43.6,9.2 43.6,0.7 57.15,0.7 45.7,12.15
/LED array/LED Cluster 4/W- on Top, Bottom, In1.Cu: 43.4,37.45 43.9,37.45 43.9,40.15 41.3,40.15 29.85,28.7 43.4,28.7
/LED array/LED Cluster 5/B- on Top, Bottom, In1.Cu: 18.55,70.6 18.55,71.1 15.6,71.1 15.6,72.65 17.8,72.65 29.3,84.15 29.3,70.6
/LED array/LED Cluster 5/B- on Top, Bottom, In1.Cu: 46.35,14.4 46.35,14.9 43.6,14.9 43.6,12.35 45.8,12.35 57.3,0.85 57.3,14.4
/LED array/LED Cluster 5/G- on Top, Bottom, In1.Cu: 43.9,16.85 43.9,19.55 43.4,19.55 43.4,28.3 29.85,28.3 41.3,16.85
/LED array/LED Cluster 5/G- on Top, Bottom, In1.Cu: 15.6,75.8 16.1,75.8 16.1,72.85 17.7,72.85 29.15,84.3 15.6,84.3
/LED array/LED Cluster 5/R- on Top, Bottom, In1.Cu: 40.45,14.4 40.45,13.9 43.4,13.9 43.4,12.35 41.2,12.35 29.7,0.85 29.7,14.4
/LED array/LED Cluster 5/R- on Top, Bottom, In1.Cu: 12.65,70.6 12.65,70.1 15.4,70.1 15.4,72.65 13.2,72.65 1.7,84.15 1.7,70.6
/LED array/LED Cluster 5/W- on Top, Bottom, In1.Cu: 16.1,68.15 16.1,65.2 15.6,65.2 15.6,56.7 29.15,56.7 17.7,68.15
/LED array/LED Cluster 5/W- on Top, Bottom, In1.Cu: 43.4,9.45 43.9,9.45 43.9,12.15 41.3,12.15 29.85,0.7 43.4,0.7
/LED array/LED Cluster 6/B- on Top, Bottom, In1.Cu: 18.55,42.6 18.55,43.1 15.6,43.1 15.6,44.65 17.8,44.65 29.3,56.15 29.3,42.6
/LED array/LED Cluster 6/B- on Top, Bottom, In1.Cu: 18.35,70.4 18.35,70.9 15.6,70.9 15.6,68.35 17.8,68.35 29.3,56.85 29.3,70.4
/LED array/LED Cluster 6/G- on Top, Bottom, In1.Cu: 15.6,47.8 16.1,47.8 16.1,44.85 17.7,44.85 29.15,56.3 15.6,56.3
/LED array/LED Cluster 6/G- on Top, Bottom, In1.Cu: 15.9,72.85 15.9,75.55 15.4,75.55 15.4,84.3 1.85,84.3 13.3,72.85
/LED array/LED Cluster 6/R- on Top, Bottom, In1.Cu: 12.65,42.6 12.65,42.1 15.4,42.1 15.4,44.65 13.2,44.65 1.7,56.15 1.7,42.6
/LED array/LED Cluster 6/R- on Top, Bottom, In1.Cu: 12.45,70.4 12.45,69.9 15.4,69.9 15.4,68.35 13.2,68.35 1.7,56.85 1.7,70.4
/LED array/LED Cluster 6/W- on Top, Bottom, In1.Cu: 16.1,40.15 16.1,37.2 15.6,37.2 15.6,28.7 29.15,28.7 17.7,40.15
/LED array/LED Cluster 6/W- on Top, Bottom, In1.Cu: 15.4,65.45 15.9,65.45 15.9,68.15 13.3,68.15 1.85,56.7 15.4,56.7
/LED array/LED Cluster 7/B- on Top, Bottom, In1.Cu: 18.55,14.6 18.55,15.1 15.6,15.1 15.6,16.65 17.8,16.65 29.3,28.15 29.3,14.6
/LED array/LED Cluster 7/B- on Top, Bottom, In1.Cu: 18.35,42.4 18.35,42.9 15.6,42.9 15.6,40.35 17.8,40.35 29.3,28.85 29.3,42.4
/LED array/LED Cluster 7/G- on Top, Bottom, In1.Cu: 15.6,19.8 16.1,19.8 16.1,16.85 17.7,16.85 29.15,28.3 15.6,28.3
/LED array/LED Cluster 7/G- on Top, Bottom, In1.Cu: 15.9,44.85 15.9,47.55 15.4,47.55 15.4,56.3 1.85,56.3 13.3,44.85
/LED array/LED Cluster 7/R- on Top, Bottom, In1.Cu: 12.65,14.6 12.65,14.1 15.4,14.1 15.4,16.65 13.2,16.65 1.7,28.15 1.7,14.6
/LED array/LED Cluster 7/R- on Top, Bottom, In1.Cu: 12.45,42.4 12.45,41.9 15.4,41.9 15.4,40.35 13.2,40.35 1.7,28.85 1.7,42.4
/LED array/LED Cluster 7/W- on Top, Bottom, In1.Cu: 16.1,12.15 16.1,9.2 15.6,9.2 15.6,0.7 29.15,0.7 17.7,12.15
/LED array/LED Cluster 7/W- on Top, Bottom, In1.Cu: 15.4,37.45 15.9,37.45 15.9,40.15 13.3,40.15 1.85,28.7 15.4,28.7
/R1+ on Top: 12.68,89.42 15.5,89.42 15.5,91.53 15.65,91.67 15.65,92.67 15,92.67 14.13,93.3 12.93,93.3 12.93,91.62 12.68,91.38
/R1+ on Top, Bottom, In1.Cu: 68.65,70.6 68.65,70.1 71.4,70.1 71.4,72.65 69.2,72.65 57.7,84.15 57.7,70.6
/R1- on Top: 17.4,89.22 17.4,91.4 18.67,91.4 19.33,90.75 20.3,90.75 20.3,89.22
/R1- on Top, Bottom, In1.Cu: 12.45,14.4 12.45,13.9 15.4,13.9 15.4,12.35 13.2,12.35 1.7,0.85 1.7,14.4
/W1+ on Top: 40.43,89.42 43.25,89.42 43.25,91.53 43.4,91.67 43.4,92.67 42.75,92.67 41.88,93.3 40.68,93.3 40.68,91.62 40.43,91.38
/W1+ on Top, Bottom, In1.Cu: 72.1,68.15 72.1,65.2 71.6,65.2 71.6,56.7 85.15,56.7 73.7,68.15
/W1- on Top: 45.15,89.22 45.15,91.4 46.43,91.4 47.08,90.75 48.05,90.75 48.05,89.22
/W1- on Top, Bottom, In1.Cu: 15.4,9.45 15.9,9.45 15.9,12.15 13.3,12.15 1.85,0.7 15.4,0.7
Net-(D201-A2) on Top: 9.75,100.62 4.25,100.62 4.25,98.91 3.67,98.31 3.67,95.67 6.69,95.67 6.69,97.66 9.75,97.66
Net-(D301-A) on Top: 15.62,95.53 15.17,95.97 13.02,95.97 13.02,94.72 14.87,94.72 15.2,94.39 15.2,93.4 17.07,93.4 17.55,92.15 18.25,92.15 18.59,93.4 21.3,93.4 21.3,95.53
Net-(D401-A) on Top: 24.88,95.53 24.43,95.98 22.28,95.98 22.28,94.73 24.12,94.73 24.45,94.4 24.45,93.41 26.32,93.41 26.8,92.16 27.5,92.16 27.84,93.41 30.55,93.41 30.56,95.53
Net-(D501-A) on Top: 34.13,95.53 33.68,95.97 31.53,95.97 31.53,94.72 33.37,94.72 33.7,94.39 33.7,93.4 35.57,93.4 36.05,92.15 36.75,92.15 37.09,93.4 39.8,93.4 39.81,95.53
Net-(D601-A) on Top: 43.38,95.53 42.93,95.97 40.78,95.97 40.78,94.72 42.62,94.72 42.95,94.39 42.95,93.4 44.82,93.4 45.3,92.15 46,92.15 46.34,93.4 49.05,93.4 49.06,95.53

Small or netless copper shapes (teardrops, artwork), in the pictures only: 1937 on Top, 128 on In2.Cu

## Text on the board
User.Comments: FABRICATION NOTES / 1. BOARD VIEW FROM PRIMARY (FRONT/TOP) SIDE. / 2. ALL DIMENSIONS ARE IN MILLIMETERS UNLESS OTHERWISE NOTED. / BOARD DIMENSIONS: 86.0mm x 34.0mm. / BOARD OUTLINE AND CUTOUT TOLERANCE SHALL BE +/- 0.25mm. / 3. FABRICATE BOARD PER IPC-6012, TYPE 3, CLASS 2. / USE THE PROVIDED GERBER FILES AND NC DRILL DATA. / PDF FILES INCLUDED ARE FOR REFERENCE ONLY. / USE SUPPLIED IPC-356 NETLIST TO COMPARE WITH GERBER DATA PRIOR TO MANUFACTURING. / 4. STACKUP: / INSULATED METAL SUBSTRATE, ALUMINUM, DESIRED FINAL THICKNESS 1.6mm (+/- 10%) / PRIMARY   (F)      - 1 Oz. COPPER* (1/2oz base) / ------------------ - DIELECTRIC / ------------------ - ALUMINUM CORE 1.5mm NOMINAL / * 0.5 Oz. COPPER DEFINED AS 17.5um NOMINAL, 15um MINIMUM FINISHED COPPER THICKNESS. / * 1 Oz. COPPER DEFINED AS 35um NOMINAL, 25um MINIMUM FINISHED COPPER THICKNESS. / * 2 Oz. COPPER DEFINED AS 70um NOMINAL, 55um MINIMUM FINISHED COPPER THICKNESS. / 5. CONTROLLED IMPEDANCE REQUIREMENTS: / NONE / 6. BOARD SURFACE FINISH: / HASL LEAD-FREE / 7. SOLDER MASK: / GREEN COLOR / APPLY SOLDER MASK OVER BARE COPPER. / 8. SILKSCREEN: / WHITE NON-CONDUCTIVE INK / SILKSCREEN IS NOT PERMITTED ON ANY EXPOSED COPPER FEATURES. / OVERLAP ONTO NON-COMPONENT HOLES IS ALLOWED. / MINIMUM SILKSCREEN TEXT HEIGHT, AS DESIGNED, IS 1.0mm. / MINIMUM SILKSCREEN LINE THICKNESS, AS DESIGNED, IS 0.15mm. / 9. MINIMUM ANNULAR RING SHALL BE IN ACCORDANCE WITH IPC-6012 CLASS 2. / 10. MINIMUM TRACE WIDTH, AS DESIGNED, IS 0.15mm. / MINIMUM CLEARANCE, AS DESIGNED, IS 0.15mm. / 11. MINIMUM VIA DRILL, AS DESIGNED, IS 0.3mm. / MINIMUM VIA PAD DIAMETER, AS DESIGNED, IS 0.5mm.
F.Silkscreen: 26a901a scanlight 9 v4 2026-03-27 | made in China  RoHS compliant  CERN-OHL-W V2 | J
